# KiCad board FetsAndCrosses.kicad_pcb (continued)
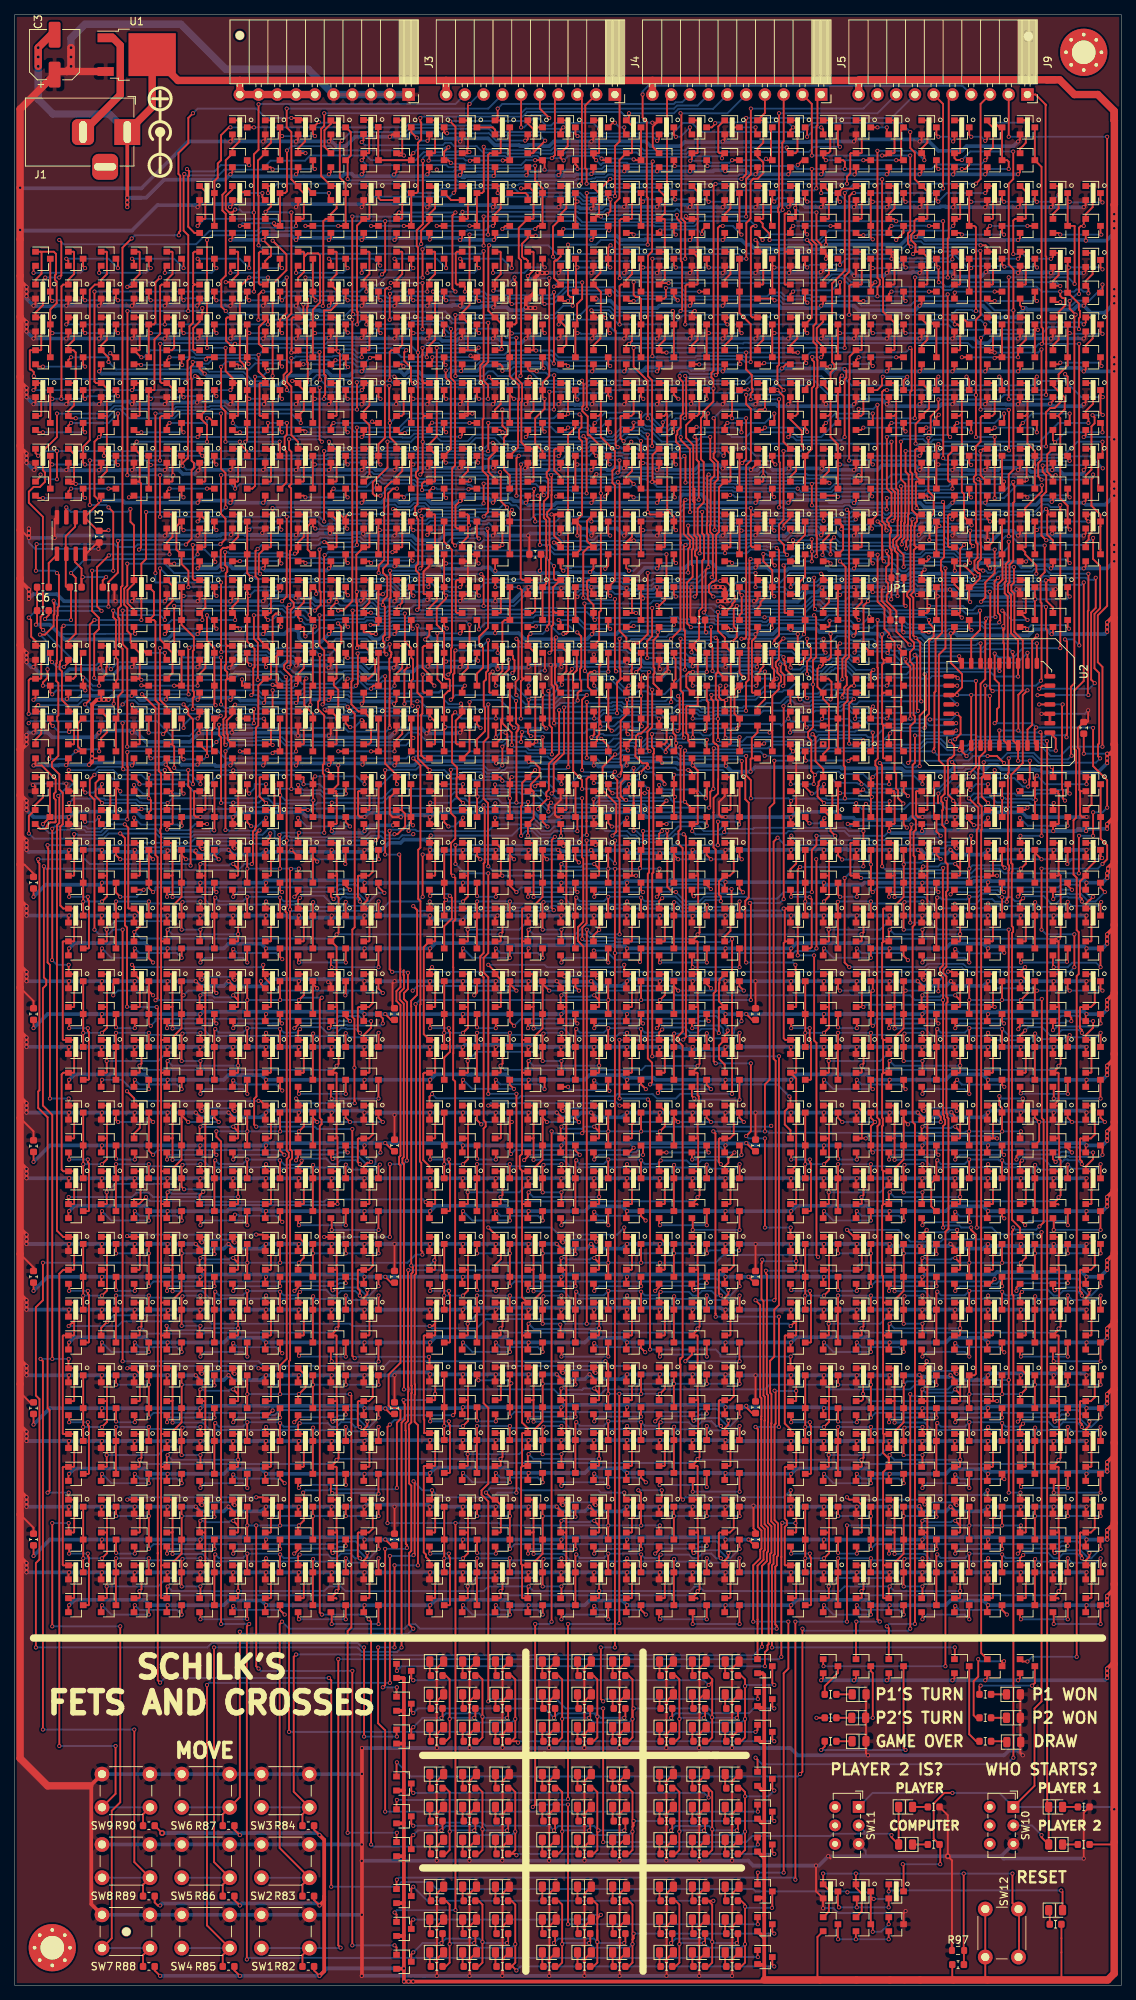
[diagram p0: board, top side]
## Routing (per net, layer and track width the routed paths; a pad name or vN(x,y) marks a point on that pad's centre or on a via; arc(x,y) is an arc through that point) (continued)
/PlayerMem_2/Sheet5EFB6D22/sheet5EFB6E86/D: length 51.5
  Top w0.25: Q963.1 47.96,141.28 48.04,141.36 48.04,145.65 47.96,145.73 Q964.1 47.26,146.38 47.76,146.88 v1(47.76,147.4) ; v1(14.29,152.4) 13.72,152.97 Q1106.3 ; v1(18.73,147.95) 18.16,148.53 Q1104.3 Q1103.3 18.16,152.97 v1(18.73,152.4)
  Bottom w0.25: v1(47.76,147.4) 46.19,148.97 43.94,148.97 43.56,148.59 19.05,148.59 19.05,148.27 v1(18.73,147.95) ; v1(14.29,152.4) v1(18.73,152.4)
/PlayerMem_2/Sheet5EFB6D22/sheet5EFB6E86/sheet5EFA4EF6/A: length 33.1
  Top w0.25: Q945.1 12.4,141.28 12.48,141.36 v1(12.45,142.88) 12.48,142.85 12.48,145.65 12.4,145.73 Q943.1 ; v1(23.18,152.4) 22.59,152.99 Q971.3 22.59,152.42 22.61,152.4 22.61,149.24 Q972.3 22.59,147.3 21.52,146.23 v1(21.52,144.02) ; v1(27.62,152.4) 27.04,152.99 Q974.3
  Bottom w0.25: v1(23.18,152.4) v1(27.62,152.4) ; v1(12.45,142.88) 13.59,144.02 v1(21.52,144.02)
/PlayerMem_2/Sheet5EFB6D22/sheet5EFB6E86/sheet5EFA5AF5/A: length 51.6
  Top w0.25: v1(46.74,146.69) 46.74,147.07 46.48,147.32 46.48,148.94 46.49,148.94 46.49,150.1 46.56,150.17 Q969.1 47.96,150.17 48.48,150.7 48.48,154.1 47.96,154.62 Q970.1 ; v1(27.16,147.21) 27.04,147.09 Q953.3 Q955.3 ; Q954.3 31.48,147.3 v1(31.5,147.32) ; Q961.1 39.07,141.28 39.15,141.36 39.15,145.65 39.07,145.73 Q959.1 38.37,146.93 v1(38.62,147.18) ; Q958.3 35.92,147.19 v1(35.94,147.2)
  Bottom w0.25: v1(27.16,147.21) 27.65,146.72 30.9,146.72 v1(31.5,147.32) 35.83,147.32 v1(35.94,147.2) 36.43,146.72 38.15,146.72 v1(38.62,147.18) 38.89,147.46 41.84,147.46 42.89,146.4 43.47,146.4 44.39,147.32 44.83,147.32 44.93,147.22 46.2,147.22 v1(46.74,146.69)
/PlayerMem_2/Sheet5EFB6D22/sheet5EFB6E86/sheet5EFA557C/A: length 59.8
  Top w0.25: v1(22.61,142.88) 22.59,142.89 Q948.3 22.59,146.46 v1(22.71,146.58) ; v1(25.15,142.88) 25.15,141.4 Q955.1 ; 25.74,150.17 Q973.1 25.04,151.65 v1(25.15,151.76) ; 25.74,150.17 25.81,150.25 25.81,154.54 25.74,154.62 Q974.1 25.04,153.97 25.2,153.8 v1(25.43,153.8) ; 25.74,150.17 25.81,150.1 25.81,145.81 25.74,145.73 Q953.1 25.15,145.84 v1(25.15,146.69) ; 30.26,151.16 30.2,151.16 v1(29.59,151.76) ; 30.26,151.16 30.26,154.54 30.18,154.62 Q949.1 29.48,153.97 29.57,153.88 v1(29.77,153.88) ; 30.26,151.16 30.26,150.25 30.18,150.17 Q950.1 ; v1(13.72,146.69) 13.72,144.8 Q943.3 Q945.3 ; v1(18.16,146.69) 18.14,146.67 Q944.3
  Bottom w0.25: v1(25.43,153.8) 25.9,154.27 29.38,154.27 v1(29.77,153.88) ; v1(25.15,151.76) 25.53,151.76 25.72,151.58 29.02,151.58 29.2,151.76 v1(29.59,151.76) ; v1(25.15,146.69) 22.82,146.69 v1(22.71,146.58) 22.54,146.41 18.44,146.41 v1(18.16,146.69) v1(13.72,146.69) ; v1(22.61,142.88) v1(25.15,142.88)
/PlayerMem_2/Sheet5EFB6D22/sheet5EFB6E86/sheet5EFA6019/A: length 55.6
  Top w0.25: v1(34.04,146.69) 33.92,146.57 Q958.1 34.62,145.73 34.7,145.65 34.7,141.36 34.62,141.28 Q957.1 ; 21.37,150.25 21.37,154.54 21.29,154.62 Q971.1 ; 21.37,150.25 21.37,150.24 v1(21.37,147.28) ; 21.37,150.25 21.29,150.17 Q972.1 ; v1(44.82,146.63) 44.81,146.63 Q960.3 ; Q961.3 Q959.3 40.37,146.55 v1(40.41,146.59) ; v1(49.28,146.69) 49.28,144.8 Q964.3
  Bottom w0.25: v1(21.37,147.28) 21.76,147.28 21.77,147.29 25.43,147.29 26.45,146.27 33.62,146.27 v1(34.04,146.69) 34.46,146.27 40.09,146.27 v1(40.41,146.59) 41.04,145.95 44.14,145.95 v1(44.82,146.63) 45.37,146.08 48.68,146.08 v1(49.28,146.69)
/PlayerMem_2/Sheet5EFB6D22/sheet5F46F157/A: length 57
  Top w0.25: 40.37,152.38 40.39,152.4 40.37,152.42 ; 40.37,152.38 40.37,152.67 ; 40.37,152.38 Q967.3 ; 34.7,152.4 v1(34.85,152.4) ; 44.83,153.65 Q966.3 44.81,151.81 v1(44.77,151.76) ; Q1104.1 16.86,150.17 16.94,150.25 16.94,154.54 16.86,154.62 Q1103.1 17.14,154.62 v1(17.14,154.62) ; 40.37,152.67 v1(40.96,152.08) ; 40.37,152.67 Q965.3 ; Q951.1 34.62,150.17 34.7,150.25 34.7,154.54 34.62,154.62 Q952.1 34.61,155.3 v1(34.61,155.89) ; 49.28,153.65 Q970.3 49.26,152.46 v1(49.32,152.4)
  Bottom w0.25: 44.83,152.4 48.9,152.4 ; 44.83,152.4 44.77,152.34 v1(44.77,151.76) ; 44.83,152.4 41.28,152.4 ; 48.9,152.4 49.28,152.4 ; 48.9,152.4 v1(49.32,152.4) ; 41.28,152.4 v1(34.85,152.4) ; 41.28,152.4 v1(40.96,152.08) ; v1(17.14,154.62) 23.81,154.62 24.45,155.26 33.97,155.26 v1(34.61,155.89)
/PlayerMem_2/Sheet5EFB6D22/sheet5F46F157/B: length 21.1
  Top w0.25: Q1106.1 12.42,154.62 12.49,154.54 12.49,150.25 12.42,150.17 ; v1(11.81,146.69) 12.49,147.37 12.49,150.1 12.42,150.17 ; Q1107.3 Q1108.3 v1(9.27,146.69) Q1110.3 ; 12.42,150.17 Q1105.1
  Bottom w0.25: v1(9.27,146.69) v1(11.81,146.69)
/PlayerMem_2/sheet5F17B538/sheet5EFB6E86/D: length 52.1
  Top w0.25: v1(67.63,152.4) 67.06,152.97 Q1143.3 Q1144.3 67.06,148.84 v1(67.95,147.95) ; 96.86,145.73 96.93,145.65 96.93,142.71 96.16,141.94 Q1005.1 ; 96.86,145.73 Q1006.1 ; 96.86,145.73 97.08,145.96 v1(97.08,148.37) ; Q1146.3 62.61,152.84 v1(63.05,152.4)
  Bottom w0.25: v1(67.63,152.4) 66.67,152.4 ; 66.67,152.4 v1(63.05,152.4) ; 66.67,152.4 67.06,152.4 ; v1(67.95,147.95) 68.58,148.59 88.65,148.59 89.06,149.01 95.67,149.01 96.31,148.37 v1(97.08,148.37)
/PlayerMem_2/sheet5F17B538/sheet5EFB6E86/sheet5EFA4EF6/A: length 33.5
  Top w0.25: Q985.1 61.3,145.73 61.37,145.65 61.37,142.85 v1(61.34,142.88) 61.37,141.36 61.3,141.28 Q987.1 ; v1(70.41,144.02) 70.41,146.23 71.48,147.3 Q1014.3 71.5,149.24 71.5,152.4 71.48,152.42 Q1013.3 71.48,152.99 v1(72.07,152.4) ; v1(76.4,151.98) 75.93,152.45 Q1016.3
  Bottom w0.25: v1(70.41,144.02) 69.47,144.02 68.33,142.88 v1(61.34,142.88) ; v1(72.07,152.4) 75.98,152.4 v1(76.4,151.98)
/PlayerMem_2/sheet5F17B538/sheet5EFB6E86/sheet5EFA5AF5/A: length 51
  Top w0.25: Q1012.1 96.86,154.62 97.38,154.1 97.38,150.7 96.86,150.17 Q1011.1 95.38,149.4 95.38,147.61 95.63,147.37 v1(95.63,146.72) ; Q1003.1 87.97,141.28 88.04,141.36 88.04,145.65 87.97,145.73 Q1001.1 87.27,146.71 v1(87.69,147.14) ; Q996.3 80.38,147.3 v1(80.39,147.32) ; v1(76.05,147.21) 75.93,147.09 Q995.3 75.82,144.67 75.82,140.45 Q997.3 ; v1(84.84,147.2) 84.82,147.19 Q1000.3
  Bottom w0.25: v1(76.05,147.21) 76.55,146.72 79.79,146.72 v1(80.39,147.32) 84.72,147.32 v1(84.84,147.2) 85.33,146.72 87.27,146.72 v1(87.69,147.14) 87.91,147.35 89.5,147.35 90.62,146.23 92.9,146.23 93.53,146.87 95.48,146.87 v1(95.63,146.72)
/PlayerMem_2/sheet5F17B538/sheet5EFB6E86/sheet5EFA557C/A: length 58.6
  Top w0.25: 74.63,150.17 74.71,150.25 74.71,154.54 74.63,154.62 Q1016.1 73.93,154.61 v1(74.31,154.23) ; 74.63,150.17 Q1015.1 73.93,151.65 v1(74.04,151.76) ; 74.63,150.17 74.71,150.1 74.71,145.81 74.63,145.73 Q995.1 74.04,145.84 v1(74.04,146.69) ; Q992.1 79.08,150.17 79.15,150.25 79.15,151.16 ; v1(78.49,151.76) 79.09,151.16 79.15,151.16 ; 79.15,151.16 79.15,154.54 79.08,154.62 Q991.1 78.38,154.62 v1(78.66,154.34) ; Q987.3 Q985.3 62.61,144.8 v1(62.61,146.69) ; Q986.3 67.04,146.67 v1(67.06,146.69) ; v1(71.5,142.88) 71.48,142.89 Q990.3 71.48,146.46 v1(71.61,146.58) ; Q997.1 74.04,141.4 v1(74.04,142.88)
  Bottom w0.25: v1(62.61,146.69) v1(67.06,146.69) 67.33,146.41 71.44,146.41 v1(71.61,146.58) 71.71,146.69 v1(74.04,146.69) ; v1(71.5,142.88) v1(74.04,142.88) ; v1(78.49,151.76) 77.09,151.76 76.7,151.38 74.43,151.38 v1(74.04,151.76) ; v1(78.66,154.34) 74.42,154.34 v1(74.31,154.23)
/PlayerMem_2/sheet5F17B538/sheet5EFB6E86/sheet5EFA6019/A: length 55.2
  Top w0.25: Q1014.1 70.19,150.17 70.26,150.25 ; 70.26,150.25 70.26,154.54 70.19,154.62 Q1013.1 ; 70.26,150.25 70.27,150.24 v1(70.27,147.28) ; v1(82.93,146.69) 82.82,146.57 Q1000.1 83.52,145.73 83.6,145.65 83.6,141.36 83.52,141.28 Q999.1 ; Q1006.3 98.17,144.8 v1(98.17,146.69) ; Q1003.3 Q1001.3 89.27,146.55 v1(89.3,146.59) ; v1(93.73,146.22) 93.71,146.2 Q1002.3
  Bottom w0.25: v1(70.27,147.28) 70.66,147.28 70.66,147.29 74.33,147.29 75.34,146.27 82.52,146.27 v1(82.93,146.69) 83.35,146.27 88.98,146.27 v1(89.3,146.59) 89.63,146.59 90.43,145.78 93.29,145.78 v1(93.73,146.22) 94.01,145.95 97.43,145.95 v1(98.17,146.69)
/PlayerMem_2/sheet5F17B538/sheet5F46F157/A: length 56
  Top w0.25: Q994.1 83.52,154.62 83.6,154.54 83.6,150.25 83.52,150.17 Q993.1 82.82,150.18 v1(84.14,150.18) ; 83.6,152.4 v1(83.75,152.4) ; 93.73,153.65 Q1008.3 93.71,152.99 v1(94.3,152.4) ; 98.17,153.65 Q1012.3 98.16,152.7 v1(98.46,152.4) ; Q1009.3 89.27,152.38 89.28,152.4 89.27,152.42 Q1007.3 89.27,152.99 v1(89.85,152.4) ; Q1143.1 65.11,154.62 65.83,153.89 65.83,150.25 65.76,150.17 Q1144.1 66.04,150.17 v1(66.04,150.18)
  Bottom w0.25: v1(83.75,152.4) v1(89.85,152.4) v1(94.3,152.4) 97.79,152.4 ; 82.82,150.18 Q993.1 ; 82.82,150.18 v1(66.04,150.18) ; 82.82,150.18 v1(84.14,150.18) ; 97.79,152.4 v1(98.46,152.4) ; 97.79,152.4 98.17,152.4
/PlayerMem_2/sheet5F17B538/sheet5F46F157/B: length 21.2
  Top w0.25: 61.31,150.17 Q1145.1 ; 61.31,150.17 61.39,150.25 61.39,154.54 61.31,154.62 Q1146.1 ; 61.31,150.17 61.39,150.1 61.39,147.37 v1(60.71,146.69) ; Q1147.3 Q1148.3 58.17,147.15 v1(58.41,146.91) 58.17,146.67 Q1150.3
  Bottom w0.25: v1(58.41,146.91) 58.63,146.69 v1(60.71,146.69)
/PlayerMem_2/sheet5F17D798/sheet5EFB6E86/D: length 50.5
  Top w0.25: Q1151.3 v1(115.95,151.7) Q1152.3 115.95,148.21 v1(116.2,147.95) ; Q1047.1 145.75,141.28 145.83,141.36 145.83,145.65 145.75,145.73 Q1048.1 145.05,146.38 145.55,146.88 145.61,146.88 v1(146.05,147.32) ; v1(112.06,152.36) 111.51,152.92 Q1186.3
  Bottom w0.25: v1(112.06,152.36) 115.29,152.36 v1(115.95,151.7) ; v1(146.05,147.32) 145.63,147.32 143.98,148.97 141.73,148.97 141.35,148.59 134.06,148.59 133.98,148.67 130.57,148.67 130.49,148.59 116.84,148.59 v1(116.2,147.95)
/PlayerMem_2/sheet5F17D798/sheet5EFB6E86/sheet5EFA4EF6/A: length 32.7
  Top w0.25: Q1055.3 120.38,152.42 120.4,152.4 v1(120.4,151.7) 120.4,149.24 Q1056.3 120.38,147.3 119.31,146.23 v1(119.31,144.02) ; Q1027.1 110.19,145.73 110.27,145.65 110.27,142.85 v1(110.24,142.88) 110.27,141.36 110.19,141.28 Q1029.1 ; v1(125.41,152.43) 124.83,153.01 Q1058.3
  Bottom w0.25: v1(119.31,144.02) 118.37,144.02 117.22,142.88 v1(110.24,142.88) ; 124.46,152.4 123.19,152.4 122.74,151.95 120.64,151.95 v1(120.4,151.7) ; 124.46,152.4 124.49,152.43 v1(125.41,152.43) ; 124.46,152.4 124.75,152.4
/PlayerMem_2/sheet5F17D798/sheet5EFB6E86/sheet5EFA5AF5/A: length 51
  Top w0.25: Q1039.3 Q1037.3 124.83,147.09 v1(124.95,147.21) ; Q1045.1 136.86,141.28 136.94,141.36 136.94,145.65 136.86,145.73 Q1043.1 136.16,146.72 v1(136.57,147.13) ; Q1038.3 129.27,147.3 v1(129.29,147.32) ; v1(144.53,146.69) 144.53,147.07 144.27,147.32 144.27,149.4 Q1053.1 145.05,150.82 146.27,152.05 146.27,154.1 145.75,154.62 Q1054.1 ; Q1042.3 133.72,147.25 v1(133.72,147.25)
  Bottom w0.25: v1(124.95,147.21) 125.34,147.21 125.58,146.97 128.93,146.97 v1(129.29,147.32) 130.49,147.32 130.94,147.77 132.81,147.77 133.33,147.25 v1(133.72,147.25) 134.94,147.25 135.47,146.72 136.16,146.72 v1(136.57,147.13) 136.84,147.4 139.37,147.4 140.36,146.4 141.07,146.4 141.99,147.32 142.62,147.32 142.72,147.22 143.99,147.22 v1(144.53,146.69)
/PlayerMem_2/sheet5F17D798/sheet5EFB6E86/sheet5EFA557C/A: length 58
  Top w0.25: 123.52,150.17 123.6,150.25 123.6,153.89 ; 123.52,150.17 Q1057.1 122.83,151.22 v1(123.02,151.42) ; 123.52,150.17 123.6,150.1 123.6,145.81 123.52,145.73 Q1037.1 122.94,145.84 v1(122.94,146.69) ; Q1058.1 123.52,154.62 123.6,154.54 123.6,153.89 ; Q1034.1 127.97,150.17 128.05,150.25 128.05,151.16 ; v1(127.38,151.76) 127.99,151.16 128.05,151.16 ; 128.05,151.16 128.05,154.54 127.97,154.62 Q1033.1 127.27,153.97 127.36,153.88 v1(127.56,153.88) ; Q1029.3 Q1027.3 111.49,146.63 v1(111.48,146.64) ; Q1028.3 115.94,146.67 v1(115.95,146.69) ; v1(120.4,142.88) 120.38,142.89 Q1032.3 120.38,146.46 v1(120.5,146.58) ; Q1039.1 122.94,141.4 v1(122.94,142.88) ; 123.6,153.89 v1(123.6,153.89)
  Bottom w0.25: v1(120.4,142.88) v1(122.94,142.88) ; v1(122.94,146.69) 120.61,146.69 v1(120.5,146.58) 120.33,146.41 116.23,146.41 v1(115.95,146.69) 111.53,146.69 v1(111.48,146.64) ; v1(127.38,151.76) 127.32,151.83 125.46,151.83 125.05,151.42 v1(123.02,151.42) ; v1(127.56,153.88) 127.17,154.27 126.33,154.27 125.95,153.89 v1(123.6,153.89) 123.52,153.89
/PlayerMem_2/sheet5F17D798/sheet5EFB6E86/sheet5EFA6019/A: length 55.8
  Top w0.25: Q1056.1 119.08,150.17 119.16,150.25 ; 119.16,150.25 119.16,154.54 119.08,154.62 Q1055.1 ; 119.16,150.25 119.16,150.24 v1(119.16,147.28) ; Q1045.3 Q1043.3 138.16,146.55 v1(138.2,146.59) ; Q1041.1 132.41,141.28 132.49,141.36 132.49,145.65 132.41,145.73 Q1042.1 131.72,146.38 131.74,146.4 v1(131.83,146.4) ; v1(147.14,146.61) 147.05,146.52 Q1048.3 ; v1(142.61,146.63) 142.6,146.63 Q1044.3
  Bottom w0.25: v1(147.14,146.61) 146.62,146.08 143.16,146.08 v1(142.61,146.63) 141.93,145.95 138.83,145.95 v1(138.2,146.59) 137.66,146.05 132.17,146.05 v1(131.83,146.4) 131.19,145.77 124.74,145.77 123.22,147.29 119.56,147.29 119.55,147.28 v1(119.16,147.28)
/PlayerMem_2/sheet5F17D798/sheet5F46F157/A: length 59.1
  Top w0.25: Q1036.1 132.41,154.62 132.49,154.54 132.49,150.25 132.41,150.17 Q1035.1 131.72,150.18 v1(133.03,150.18) ; 132.49,152.4 v1(132.64,152.4) ; 142.62,153.65 Q1050.3 142.6,151.81 v1(142.56,151.76) ; 147.07,152.4 147.07,153.65 Q1054.3 147.05,152.79 v1(147.27,152.56) ; Q1051.3 138.16,152.38 138.18,152.4 138.16,152.42 Q1049.3 138.16,153.31 v1(139.06,152.4) ; Q1151.1 113.25,154.62 113.18,154.54 113.18,150.25 113.25,150.17 Q1152.1 114.3,150.17 v1(114.62,149.86)
  Bottom w0.25: v1(132.64,152.4) v1(139.06,152.4) 143.19,152.4 ; 143.19,152.4 146.69,152.4 ; 143.19,152.4 v1(142.56,151.76) ; 146.69,152.4 147.11,152.4 v1(147.27,152.56) ; 146.69,152.4 147.07,152.4 ; v1(114.62,149.86) 129.54,149.86 129.73,150.04 131.63,150.04 131.76,150.18 v1(133.03,150.18)
/PlayerMem_2/sheet5F17D798/sheet5F46F157/B: length 21.4
  Top w0.25: 110.21,150.17 Q1185.1 ; 110.21,150.17 110.28,150.25 110.28,154.54 110.21,154.62 Q1186.1 ; 110.21,150.17 110.28,150.1 110.28,147.37 v1(109.6,146.69) ; Q1187.3 Q1188.3 v1(107.06,146.69) Q1190.3
  Bottom w0.25: v1(107.06,146.69) 107.34,146.41 109.33,146.41 v1(109.6,146.69)
/PlayerMem_2/sheet5F1827A6/sheet5EFB6E86/D: length 52.2
  Top w0.25: 47.26,105.72 47.96,105.72 48.04,105.8 48.04,110.09 47.96,110.17 Q1216.1 47.26,110.82 47.76,111.32 48.13,111.32 v1(48.26,111.44) ; Q1314.3 13.72,117.13 v1(14,116.84) ; v1(18.73,112.39) 18.16,112.97 Q1312.3 Q1311.3 18.16,117.41 v1(18.73,116.84)
  Bottom w0.25: v1(18.73,116.84) v1(14,116.84) ; v1(48.26,111.44) 47.86,111.84 47.76,111.84 46.19,113.41 43.94,113.41 43.56,113.03 19.37,113.03 v1(18.73,112.39)
/PlayerMem_2/sheet5F1827A6/sheet5EFB6E86/sheet5EFA4EF6/A: length 33.5
  Top w0.25: Q1195.1 12.4,110.17 12.48,110.09 12.48,107.29 v1(12.45,107.31) 12.48,105.8 12.4,105.72 11.7,105.72 ; v1(21.52,108.46) 21.52,110.67 22.59,111.74 Q1224.3 22.61,113.68 22.61,116.84 22.59,116.86 Q1223.3 22.59,117.74 v1(23.5,116.84) ; Q1226.3 27.04,117.43 v1(27.62,116.84)
  Bottom w0.25: v1(21.52,108.46) 13.59,108.46 v1(12.45,107.31) ; v1(27.62,116.84) 26.35,116.84 ; 26.35,116.84 26.98,116.84 ; 26.35,116.84 v1(23.5,116.84)
/PlayerMem_2/sheet5F1827A6/sheet5EFB6E86/sheet5EFA5AF5/A: length 51.7
  Top w0.25: Q1222.1 47.96,119.06 48.48,118.54 48.48,115.14 47.96,114.61 Q1221.1 46.56,114.61 46.46,114.52 46.46,111.4 v1(46.74,111.12) ; Q1207.3 Q1205.3 27.04,111.53 v1(27.16,111.65) ; 38.37,105.72 39.07,105.72 39.15,105.8 39.15,110.09 39.07,110.17 Q1211.1 38.37,110.82 38.84,111.29 v1(38.84,111.61) ; Q1206.3 31.48,111.74 v1(31.5,111.76) ; Q1210.3 35.92,111.64 v1(35.92,111.64)
  Bottom w0.25: v1(27.16,111.65) 27.65,111.16 30.9,111.16 v1(31.5,111.76) 35.81,111.76 v1(35.92,111.64) 36.52,111.04 38.67,111.04 38.84,111.22 v1(38.84,111.61) 39.12,111.88 42.17,111.88 42.93,111.12 43.56,111.12 44.1,111.66 46.2,111.66 v1(46.74,111.12)
/PlayerMem_2/sheet5F1827A6/sheet5EFB6E86/sheet5EFA557C/A: length 59.8
  Top w0.25: 25.74,114.61 25.81,114.69 25.81,118.98 25.74,119.06 Q1226.1 25.04,118.41 25.12,118.32 v1(25.32,118.32) ; 25.74,114.61 Q1225.1 25.04,116.09 v1(25.15,116.2) ; 25.74,114.61 25.81,114.54 25.81,110.25 25.74,110.17 Q1205.1 25.15,110.28 v1(25.15,111.12) ; Q1202.1 30.18,114.61 30.26,114.69 30.26,115.6 ; v1(29.59,116.2) 30.2,115.6 30.26,115.6 ; 30.26,115.6 30.26,118.98 30.18,119.06 Q1201.1 29.48,118.41 29.57,118.32 v1(29.77,118.32) ; Q1197.3 Q1195.3 13.72,109.24 v1(13.72,111.12) ; Q1196.3 18.14,111.11 v1(18.16,111.12) ; v1(22.71,111.02) 22.59,110.9 Q1200.3 22.59,108.07 v1(22.93,107.73) ; 25.04,105.72 25.04,106.9 v1(25.53,107.4)
  Bottom w0.25: v1(25.32,118.32) 25.71,118.71 29.38,118.71 v1(29.77,118.32) ; v1(13.72,111.12) v1(18.16,111.12) 18.44,110.85 22.54,110.85 v1(22.71,111.02) 22.82,111.12 v1(25.15,111.12) ; v1(22.93,107.73) 25.2,107.73 v1(25.53,107.4) ; v1(29.59,116.2) 29.2,116.2 29.17,116.17 25.57,116.17 25.53,116.2 v1(25.15,116.2)
/PlayerMem_2/sheet5F1827A6/sheet5EFB6E86/sheet5EFA6019/A: length 55.8
  Top w0.25: Q1224.1 21.29,114.61 21.37,114.69 ; 21.37,114.69 21.37,118.98 21.29,119.06 Q1223.1 ; 21.37,114.69 21.37,114.68 v1(21.37,111.72) ; v1(34.04,111.12) 33.92,111.01 Q1210.1 34.62,110.17 34.7,110.09 34.7,105.8 34.62,105.72 33.92,105.72 ; Q1213.3 Q1211.3 40.37,110.99 v1(40.41,111.03) ; Q1212.3 44.81,111.05 v1(44.83,111.06) ; v1(49.45,111.07) 49.26,110.87 Q1216.3
  Bottom w0.25: v1(21.37,111.72) 21.76,111.72 21.77,111.73 25.43,111.73 26.45,110.71 33.62,110.71 v1(34.04,111.12) 34.57,110.59 39.97,110.59 v1(40.41,111.03) 40.76,110.67 44.44,110.67 v1(44.83,111.06) 45.5,110.39 48.78,110.39 v1(49.45,111.07)
/PlayerMem_2/sheet5F1827A6/sheet5F46F157/A: length 60.3
  Top w0.25: 34.62,119.06 34.7,118.98 34.7,114.69 34.62,114.61 Q1203.1 ; 34.62,119.06 Q1204.1 33.29,119.7 v1(33.02,119.7) ; 34.62,119.06 34.92,118.76 v1(34.92,117.47) 34.85,117.4 ; 44.83,118.09 Q1218.3 44.81,117.43 v1(45.4,116.84) ; 49.28,118.09 Q1222.3 49.26,117.43 v1(49.85,116.84) ; Q1219.3 40.37,116.82 40.39,116.84 40.37,116.86 Q1217.3 40.37,117.43 v1(40.96,116.84) ; v1(15.21,121) 16.16,120.04 Q1311.1 16.86,119.06 16.94,118.98 16.94,116.04 16.16,115.26 Q1312.1
  Bottom w0.25: v1(49.85,116.84) 48.26,116.84 ; 48.26,116.84 49.28,116.84 ; 48.26,116.84 v1(45.4,116.84) v1(40.96,116.84) 35.56,116.84 v1(34.92,117.47) ; v1(33.02,119.7) 16.51,119.7 v1(15.21,121)
/PlayerMem_2/sheet5F1827A6/sheet5F46F157/B: length 21.1
  Top w0.25: 12.42,114.61 Q1313.1 ; 12.42,114.61 12.49,114.69 12.49,118.98 12.42,119.06 Q1314.1 ; 12.42,114.61 12.49,114.54 12.49,111.81 v1(11.81,111.12) ; Q1315.3 Q1316.3 v1(9.27,111.12) Q1318.3
  Bottom w0.25: v1(9.27,111.12) v1(11.81,111.12)
/PlayerMem_2/sheet5F1827A7/sheet5EFB6E86/D: length 54.2
  Top w0.25: 96.16,105.72 96.86,105.72 96.93,105.8 96.93,110.09 96.86,110.17 Q1258.1 96.16,110.82 96.65,111.32 96.65,111.89 v1(97.47,112.71) ; 67.06,115.32 Q1320.3 67.06,112.65 v1(67.2,112.5) ; 67.06,115.32 67.06,116.59 v1(67.31,116.84) ; 67.06,115.32 Q1319.3 ; Q1365.3 62.61,117.09 v1(63.18,116.52)
  Bottom w0.25: v1(67.31,116.84) 66.36,116.84 ; 66.36,116.84 63.5,116.84 v1(63.18,116.52) ; 66.36,116.84 67.06,116.84 ; v1(97.47,112.71) 96.33,112.71 95.63,113.41 84.77,113.41 84.11,112.75 83.21,112.75 82.93,113.03 67.73,113.03 v1(67.2,112.5)
/PlayerMem_2/sheet5F1827A7/sheet5EFB6E86/sheet5EFA4EF6/A: length 33.6
  Top w0.25: Q1237.1 61.3,110.17 61.37,110.09 61.37,107.29 v1(61.34,107.31) 61.37,105.8 61.3,105.72 60.59,105.72 ; v1(70.41,108.46) 70.41,110.67 71.48,111.74 Q1266.3 71.5,113.68 71.5,116.84 71.48,116.86 Q1265.3 71.48,117.43 v1(72.07,116.84) ; Q1268.3 75.93,117.31 v1(76.42,116.82)
  Bottom w0.25: v1(70.41,108.46) 69.47,108.46 68.33,107.31 v1(61.34,107.31) ; 75.25,116.84 76.4,116.84 v1(76.42,116.82) ; 75.25,116.84 v1(72.07,116.84) ; 75.25,116.84 75.86,116.84
/PlayerMem_2/sheet5F1827A7/sheet5EFB6E86/sheet5EFA5AF5/A: length 51.1
  Top w0.25: Q1264.1 96.86,119.06 97.38,118.54 97.38,115.14 96.86,114.61 Q1263.1 95.45,114.61 95.36,114.52 95.36,111.4 v1(95.63,111.12) ; Q1249.3 Q1247.3 75.93,111.53 v1(76.05,111.65) ; 87.27,105.72 87.97,105.72 88.04,105.8 88.04,110.09 87.97,110.17 Q1253.1 87.27,111.41 v1(87.48,111.63) ; Q1248.3 80.38,111.74 v1(80.39,111.76) ; v1(84.84,111.64) 84.82,111.63 Q1252.3
  Bottom w0.25: v1(76.05,111.65) 76.55,111.16 79.79,111.16 v1(80.39,111.76) 84.72,111.76 v1(84.84,111.64) 85.32,111.16 87.01,111.16 v1(87.48,111.63) 91,111.63 91.5,111.12 92.46,111.12 92.99,111.66 95.09,111.66 v1(95.63,111.12)
/PlayerMem_2/sheet5F1827A7/sheet5EFB6E86/sheet5EFA557C/A: length 61
  Top w0.25: 74.63,114.61 74.71,114.69 74.71,118.98 74.63,119.06 Q1268.1 73.93,118.41 74.02,118.32 v1(74.22,118.32) ; 74.63,114.61 Q1267.1 73.93,116.09 v1(74.04,116.2) ; 74.63,114.61 74.71,114.54 74.71,110.25 74.63,110.17 Q1247.1 74.04,110.28 v1(74.04,111.12) ; Q1244.1 79.08,114.61 79.15,114.69 79.15,115.6 ; Q1243.1 79.08,119.06 79.15,118.98 79.15,115.6 ; Q1243.1 78.38,119.06 v1(79.38,119.06) ; Q1243.1 78.38,118.83 78.5,118.71 ; v1(78.49,116.2) 79.09,115.6 79.15,115.6 ; Q1239.3 Q1237.3 62.61,109.24 v1(62.61,111.12) ; Q1238.3 67.04,111.11 v1(67.06,111.12) ; v1(71.5,107.31) 71.48,107.33 Q1242.3 71.48,110.9 v1(71.61,111.02) ; 73.93,105.72 74.04,105.84 v1(74.04,107.31)
  Bottom w0.25: v1(62.61,111.12) v1(67.06,111.12) 67.33,110.85 71.44,110.85 v1(71.61,111.02) 71.71,111.12 v1(74.04,111.12) ; v1(71.5,107.31) v1(74.04,107.31) ; v1(78.49,116.2) 77.09,116.2 76.81,115.92 74.32,115.92 v1(74.04,116.2) ; 78.5,118.71 79.02,118.71 v1(79.38,119.06) ; 78.5,118.71 78.5,118.71 ; 78.5,118.71 74.61,118.71 v1(74.22,118.32)
/PlayerMem_2/sheet5F1827A7/sheet5EFB6E86/sheet5EFA6019/A: length 55.4
  Top w0.25: Q1266.1 70.19,114.61 70.26,114.69 ; 70.26,114.69 70.26,118.98 70.19,119.06 Q1265.1 ; 70.26,114.69 70.27,114.68 v1(70.27,111.72) ; v1(82.93,111.12) 82.82,111.01 Q1252.1 83.52,110.17 83.6,110.09 83.6,105.8 83.52,105.72 82.82,105.72 ; Q1258.3 98.17,109.24 v1(98.17,111.12) ; Q1255.3 Q1253.3 89.27,110.99 v1(89.3,111.03) ; Q1254.3 93.71,111.06 v1(93.72,111.06)
  Bottom w0.25: v1(70.27,111.72) 70.66,111.72 70.66,111.73 74.33,111.73 75.34,110.71 82.52,110.71 v1(82.93,111.12) 83.35,110.71 88.99,110.71 v1(89.3,111.03) 89.65,110.67 93.33,110.67 v1(93.72,111.06) 94.25,110.52 97.57,110.52 v1(98.17,111.12)
/PlayerMem_2/sheet5F1827A7/sheet5F46F157/A: length 56.7
  Top w0.25: Q1245.1 83.52,114.61 83.6,114.69 83.6,116.75 ; 93.73,118.09 Q1260.3 93.71,117.43 v1(94.3,116.84) ; 98.17,118.09 Q1264.3 98.16,117.43 v1(98.74,116.84) ; Q1261.3 89.27,116.82 89.28,116.84 89.27,116.86 Q1259.3 89.27,117.43 v1(89.85,116.84) ; Q1320.1 65.76,114.61 65.83,114.69 65.83,118.98 65.76,119.06 Q1319.1 64.14,119.06 v1(64.14,119.06) ; 83.6,116.75 83.6,118.98 83.52,119.06 Q1246.1 82.82,119.06 v1(81.92,119.06) ; 83.6,116.75 83.8,116.75 83.82,116.77 v1(83.82,117.16)
  Bottom w0.25: v1(83.82,117.16) 84.14,116.84 v1(94.3,116.84) v1(98.74,116.84) ; v1(81.92,119.06) 81.28,119.7 78.42,119.7 78.11,119.38 64.45,119.38 v1(64.14,119.06)
/PlayerMem_2/sheet5F1827A7/sheet5F46F157/B: length 21.1
  Top w0.25: 61.31,114.61 Q1362.1 ; 61.31,114.61 61.39,114.69 61.39,118.98 61.31,119.06 Q1365.1 ; 61.31,114.61 61.39,114.54 61.39,111.81 v1(60.71,111.12) ; Q1366.3 Q1367.3 v1(58.17,111.12) Q1369.3
  Bottom w0.25: v1(58.17,111.12) v1(60.71,111.12)
/PlayerMem_2/sheet5F1827A8/sheet5EFB6E86/D: length 51.2
  Top w0.25: 145.05,105.72 145.75,105.72 145.83,105.8 145.83,110.09 145.75,110.17 Q1300.1 145.05,110.82 146.05,111.82 v1(146.05,112.71) ; v1(112.08,116.84) 111.51,117.41 Q1373.3 ; Q1370.3 115.95,117.41 v1(116.52,116.84) 115.95,116.27 Q1371.3 115.95,112.97 v1(116.2,112.71)
  Bottom w0.25: v1(116.2,112.71) 116.52,113.03 141.28,113.03 141.66,113.41 144.08,113.41 144.78,112.71 v1(146.05,112.71) ; v1(112.08,116.84) v1(116.52,116.84)
/PlayerMem_2/sheet5F1827A8/sheet5EFB6E86/sheet5EFA4EF6/A: length 33.6
  Top w0.25: Q1279.1 110.19,110.17 110.27,110.09 110.27,107.29 v1(110.24,107.31) 110.27,105.8 110.19,105.72 109.49,105.72 ; v1(119.31,108.46) 119.31,110.67 120.38,111.74 Q1308.3 120.4,113.68 120.4,116.84 120.38,116.86 Q1307.3 120.38,117.11 v1(120.97,116.52) ; v1(125.41,116.84) 125.41,117.52 Q1310.3
  Bottom w0.25: v1(119.31,108.46) 118.37,108.46 117.22,107.31 v1(110.24,107.31) ; v1(125.41,116.84) 121.29,116.84 v1(120.97,116.52)
